# Altium PCB SupBigBrrg_0.PcbDoc (part 24 of 29)
Units mm, origin at the board's own origin, x right, y up, seen from the top; angles counter-clockwise.
Board outline 400 x 344 mm, 6 copper layers (TopLayer, PlaneGnd, PlanePwr, MidLayer3, MidLayer4, BottomLayer); 1288 components, 1323 nets, 5024 pads, 1078 vias.
Unrouted connection lines stored in the file: 1824.
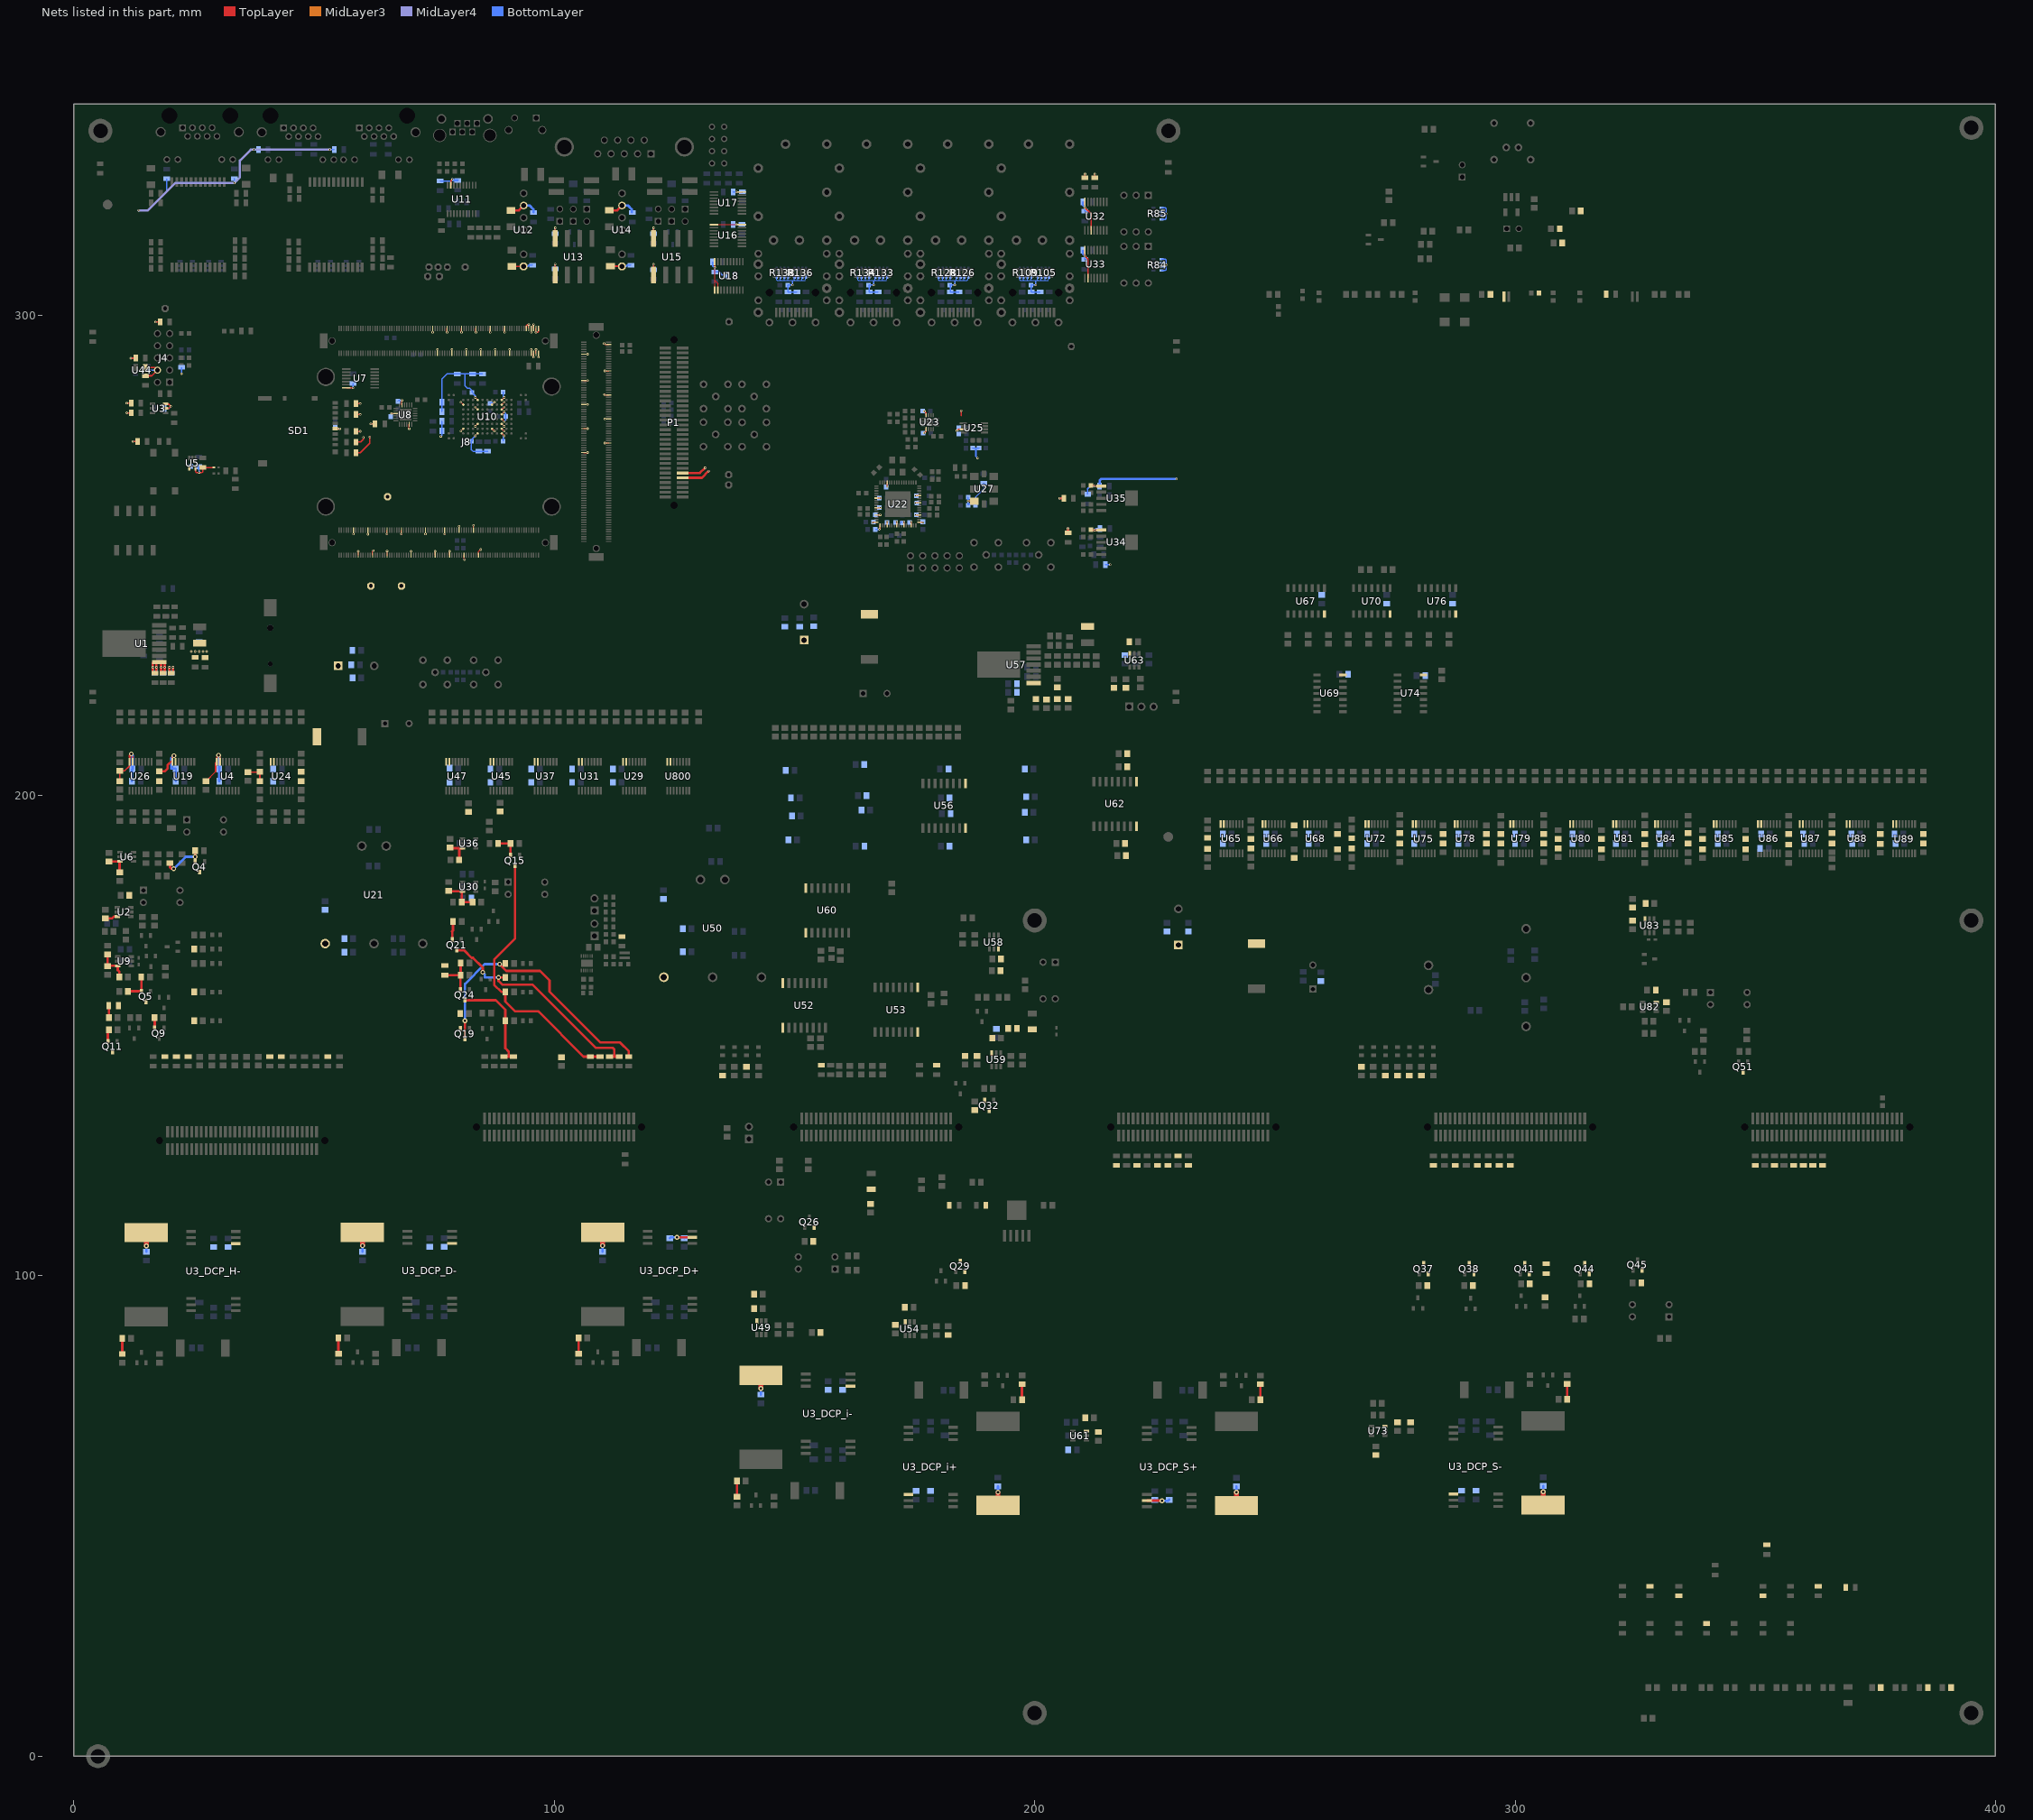
[diagram p28: the nets of this part, all layers, seen from the top]

## Footprints (in the part's own frame and the unit in brackets; to place one, negate y for a bottom-side part, rotate by r counter-clockwise, add the part's x,y. Pads: shape width x height; smd on the part's side, far side on the other; paste and mask are expansions set on the pad) (continued)
SMD_HX508 [mm]
  rect 2x0.64 smd: 1(0,0) 2(0,-0.99) 3(0,-1.98) 4(0,-2.97) 5(0,-3.96) 6(0,-4.95) 7(0,-5.94) 8(0,-6.93) 9(0,-7.92) 10(0,-8.91) 11(0,-9.9) 12(0,-10.89)
  rect 2x0.6 smd: 13(17.7,-10.89) 14(17.7,-9.9) 15(17.7,-8.91) 16(17.7,-7.92) 17(17.7,-6.93) 18(17.7,-5.94) 19(17.7,-4.95) 20(17.7,-3.96) 21(17.7,-2.97) 22(17.7,-1.98) 23(17.7,-0.99) 24(17.7,0)
  silkscreen extent -0.58,-12.17 18.1,1.28, body extent -0.45,-12.03 17.97,1.12, height 6.12
SOD_923 [mm]
  rect 0.5x0.4 smd: 1(-0.48,0) 2(0.48,0)
  body extent -0.48,-0.3 0.52,0.3, height 0.4
SODFL1608X65N [mm] "Ultra Small Outline Diode Flat Lead (SOD-523), Body; 1.2mm L X 0.8mm W X 0.65mm H, IPC Medium Density"
  rect 0.75x0.5 smd: 1(-0.7,0) 2(0.7,0)
  silkscreen extent -1.22,0.63 -0.98,0.88, body extent -0.82,-0.42 0.83,0.43, height 0.65
SOIC127P600X175-14N [mm] "SOIC 14, Pitch 1.27mm - Body 4x8.75mm, IPC Medium Density"
  rect 1.55x0.6 smd: 1(-2.7,3.81) 2(-2.7,2.54) 3(-2.7,1.27) 4(-2.7,0) 5(-2.7,-1.27) 6(-2.7,-2.54) 7(-2.7,-3.81) 8(2.7,-3.81) 9(2.7,-2.54) 10(2.7,-1.27) 11(2.7,0) 12(2.7,1.27) 13(2.7,2.54) 14(2.7,3.81)
  silkscreen extent -2.52,-4.4 1.55,4.79, body extent -3.1,-4.37 3.1,4.38, height 1.75
SOIC127P1030X265-16N [mm] "SOIC 16, Pitch 1.27mm - Body 7.5x10.3mm, IPC Medium Density"
  rect 2x0.6 smd: 1(-4.65,4.445) 2(-4.65,3.175) 3(-4.65,1.905) 4(-4.65,0.635) 5(-4.65,-0.635) 6(-4.65,-1.905) 7(-4.65,-3.175) 8(-4.65,-4.445) 9(4.65,-4.445) 10(4.65,-3.175) 11(4.65,-1.905) 12(4.65,-0.635) 13(4.65,0.635) 14(4.65,1.905) 15(4.65,3.175) 16(4.65,4.445)
  silkscreen extent -5.52,-5.15 3.32,5.37, body extent -5.18,-5.25 5.18,5.25, height 1.68
SOIC127P1033X265-12_28N [mm] "SOIC, Pitch 1.27mm; 12 Pin of 28, 7.50mm W X 17.90mm L X 2.65mm H body, IPC Medium Density"
  rect 2x0.6 smd: 1(-4.65,8.255) 2(-4.65,6.985) 3(-4.65,5.715) 12(-4.65,-5.715) 13(-4.65,-6.985) 14(-4.65,-8.255) 15(4.65,-8.255) 16(4.65,-6.985) 17(4.65,-5.715) 26(4.65,5.715) 27(4.65,6.985) 28(4.65,8.255)
  silkscreen extent -5.53,-8.95 3.32,9.22, body extent -5.18,-9.05 5.18,9.05, height 1.68
SOP8 [mm]
  rect 3.5x1 smd: 1(-3.8,3.825) 2(-3.8,1.275) 3(-3.8,-1.275) 4(-3.8,-3.825) 5(3.8,-3.825) 6(3.8,-1.275) 7(3.8,1.275) 8(3.8,3.825)
  silkscreen extent -2.3,-4.75 2.3,4.67, body extent -3.47,-4.75 3.53,4.65, height 2
SOP65P490X110-8N [mm] "SOP, 0.65mm pitch; 8 pin, 3.00mm W X 3.00mm L X 1.10mm H body, IPC Medium Density"
  rect 1.5x0.45 smd: 1(-2.2,0.975) 2(-2.2,0.325) 3(-2.2,-0.325) 4(-2.2,-0.975) 5(2.2,-0.975) 6(2.2,-0.325) 7(2.2,0.325) 8(2.2,0.975)
  silkscreen extent -2.83,-1.5 1.12,1.82, body extent -2.45,-1.55 2.45,1.55, height 1.1
SOP65P640X110-14N [mm] "SOP, 14-Leads, Body 4.4x5mm (max), Pitch 0.65mm, IPC Medium Density"
  rect 1.78x0.35 smd: 1(-2.92,1.95) 2(-2.92,1.3) 3(-2.92,0.65) 4(-2.92,0) 5(-2.92,-0.65) 6(-2.92,-1.3) 7(-2.92,-1.95) 8(2.92,-1.95) 9(2.92,-1.3) 10(2.92,-0.65) 11(2.92,0) 12(2.92,0.65) 13(2.92,1.3) 14(2.92,1.95)
  silkscreen extent -1.85,-2.5 1.85,2.5, body extent -3.12,-2.55 3.12,2.55, height 1.1
SOP65P640X110-16N [mm] "SOP, 0.65mm pitch; 16 pin, 4.40mm W X 5.00mm L X 1.10mm H body IPC Medium Density"
  rect 1.78x0.35 smd: 1(-2.92,2.275) 2(-2.92,1.625) 3(-2.92,0.975) 4(-2.92,0.325) 5(-2.92,-0.325) 6(-2.92,-0.975) 7(-2.92,-1.625) 8(-2.92,-2.275) 9(2.92,-2.275) 10(2.92,-1.625) 11(2.92,-0.975) 12(2.92,-0.325) 13(2.92,0.325) 14(2.92,0.975) 15(2.92,1.625) 16(2.92,2.275)
  silkscreen extent -1.88,-2.5 1.88,2.5, body extent -3.12,-2.55 3.12,2.55, height 1.1
SOP65P640X110-20N [mm] "SOP, 20-Leads, Body 6.6x4.5mm (max), Pitch 0.65mm, IPC Medium Density"
  rect 1.45x0.35 smd: 1(-2.95,2.925) 2(-2.95,2.275) 3(-2.95,1.625) 4(-2.95,0.975) 5(-2.95,0.325) 6(-2.95,-0.325) 7(-2.95,-0.975) 8(-2.95,-1.625) 9(-2.95,-2.275) 10(-2.95,-2.925) 11(2.95,-2.925) 12(2.95,-2.275) 13(2.95,-1.625) 14(2.95,-0.975) 15(2.95,-0.325) 16(2.95,0.325) 17(2.95,0.975) 18(2.95,1.625) 19(2.95,2.275) 20(2.95,2.925)
  silkscreen extent -3.07,-3.3 1.85,3.82, body extent -3.12,-3.3 3.12,3.3, height 1.19
SOT65P210X110-5N [mm]
  rect 0.95x0.4 smd: 1(-1.1,0.65) 2(-1.1,0) 3(-1.1,-0.65) 4(1.1,-0.65) 5(1.1,0.65)
  silkscreen extent -0.3,-1 0.3,1, body extent -1.2,-1.1 1.2,1.1, height 1.1
SOT95P229X119-3N [mm] "SOT23 3-Leads, 0.95mm pitch; 3 pin, 1.296mm W X 2.858mm L X 1.194mm H body, IPC Medium Density"
  rect 1x0.65 smd: 1(-1.1,0.95) 2(-1.1,-0.95) 3(1.1,0)
  silkscreen extent -1.47,-1.45 0.28,1.92, body extent -1.25,-1.5 1.25,1.5, height 1.19
SOT95P240X110-3N [mm] "SOT23 3-Leads, Pitch 0.95mm - Body 1.3x2.9mm, IPC Medium Density"
  rect 1.15x0.6 smd: 1(-1.3,0.95) 2(-1.3,-0.95) 3(1.3,0)
  silkscreen extent -1.52,-1.45 0.3,1.92, body extent -1.25,-1.5 1.25,1.5, height 1.1
SOT95P270X145-6N [mm] "SOT, 0.95mm Pitch; 6 Pin,1.55mm W X 2.90mm L X 1.45mm H body, IPC Medium Density"
  rect 1.1x0.6 smd: 1(-1.4,0.95) 2(-1.4,0) 3(-1.4,-0.95) 4(1.4,-0.95) 5(1.4,0) 6(1.4,0.95)
  silkscreen extent -1.83,-1.45 0.45,1.87, body extent -1.35,-1.45 1.35,1.45, height 1.45
SOT95P280X100-6N [mm] "SOT23, 0.95mm pitch; 6 pin, 1.625mm W X 2.90mm L X 1.00mm H body, IPC Medium Density"
  rect 1.1x0.55 smd: 1(-1.35,0.95) 2(-1.35,0) 3(-1.35,-0.95) 4(1.35,-0.95) 5(1.35,0) 6(1.35,0.95)
  silkscreen extent -1.77,-1.45 0.48,1.87, body extent -1.4,-1.5 1.4,1.5, height 1
SOT95P280X115-3N [mm] "SOT23, 0.95mm, pitch;3 pin,1.55mm W X 2.95mm L X 1.15mm H body, IPC Medium Density"
  rect 1.15x0.6 smd: 1(-1.3,0.95) 2(-1.3,-0.95) 3(1.3,0)
  silkscreen extent -0.4,-1.5 0.4,1.5, body extent -1.4,-1.5 1.6,1.5, height 1.15
SOT95P285X110-6N [mm]
  rect 1.05x0.55 smd: 1(-1.3,0.95) 2(-1.3,0) 3(-1.3,-0.95) 4(1.3,-0.95) 5(1.3,0) 6(1.3,0.95)
  silkscreen extent -1.77,-1.5 0.45,1.87, body extent -1.4,-1.5 1.48,1.5, height 1.1
SOT223 [mm] "SOT223, 6-Leads, Body 6.6x7.3mm (max), Pitch 1.27mm, IPC Medium Density"
  rect 2.6x3.2 smd: 0(3.3,0)
  rect 2.05x0.65 smd: 1(-3,2.54) 2(-3,1.27) 3(-3,0) 4(-3,-1.27) 5(-3,-2.54)
  silkscreen extent -1.6,-3.3 1.6,3.3, body extent -3.68,-3.27 3.68,3.28, height 1.8
SOT223_6-127 [mil]
  rect 24x93 smd paste+0 mask+0: 1(-100,-118.5) 2(-50,-118.5) 3(0,-118.5) 4(50,-118.5) 5(100,-118.5)
  rect 157.48x157.48 smd: 6(0,90)
  silkscreen extent -134,-103 134,75, body extent -129,-143 129,143, height 71
SW_ECE_ERD116XSZ [mm] "Body 7.4x7.4mm SMT Hexadecimal Rotary Switches"
  rect 1.5x1.5 hole 0.9: 1(0,0)
  round 1.5 hole 0.9: 2(7.62,-5.08) 4(0,-5.08) 8(7.62,0) C1(0,-2.54) C2(7.62,-2.54)
  silkscreen extent -1.19,-7.54 8.81,2.46, body extent -1.13,-7.52 8.88,2.48, height 5.01
TEST_POINT [mm] "test point"
  oct 1.5x1.5 hole 0.8: 1(0,0)
TO-PMOD7 [mm] "TO-263, TO,1.27mm pitch;7 pin,14.10mm L X 8.64mm W X 4.64mm H body, IPC Medium Density"
  rect 9x5.5 smd: 0(1.25,0)
  rect 3x0.9 smd: 1(-6.05,3.81) 2(-6.05,2.54) 3(-6.05,1.27) 4(-6.05,0) 5(-6.05,-1.27) 6(-6.05,-2.54) 7(-6.05,-3.81)
  silkscreen extent -4.2,-5.1 -3.1,5.1, body extent -7.12,-5.08 7.23,5.08, height 4.57
TSSOP-16 [mm]
  rect 1.6x0.4 smd: 1(-3.025,2.275) 2(-3.025,1.625) 3(-3.025,0.975) 4(-3.025,0.325) 5(-3.025,-0.325) 6(-3.025,-0.975) 7(-3.025,-1.625) 8(-3.025,-2.275) 9(3.025,-2.275) 10(3.025,-1.625) 11(3.025,-0.975) 12(3.025,-0.325) 13(3.025,0.325) 14(3.025,0.975) 15(3.025,1.625) 16(3.025,2.275)
  TopLayer circle w0.25: c-2.95,3.1 r0.125
  silkscreen extent -3.07,-2.55 1.85,3.17, body extent -3.12,-2.55 3.12,2.55, height 1.2
TYCO_120521-1 [mm] "1mm Centerline, FH (IEEE 1386) Surface Mount, Stacking Board-to-Board Female Connectors"
  rect 0.6x2.4 smd: 1(1.7,-1.8) 2(1.7,1.8) 3(2.7,-1.8) 4(2.7,1.8) 5(3.7,-1.8) 6(3.7,1.8) 7(4.7,-1.8) 8(4.7,1.8) 9(5.7,-1.8) 10(5.7,1.8) 11(6.7,-1.8) 12(6.7,1.8) 13(7.7,-1.8) 14(7.7,1.8) 15(8.7,-1.8) 16(8.7,1.8) 17(9.7,-1.8) 18(9.7,1.8) 19(10.7,-1.8) 20(10.7,1.8) 21(11.7,-1.8) 22(11.7,1.8) 23(12.7,-1.8) 24(12.7,1.8) 25(13.7,-1.8) 26(13.7,1.8) 27(14.7,-1.8) 28(14.7,1.8) 29(15.7,-1.8) 30(15.7,1.8) 31(16.7,-1.8) 32(16.7,1.8) 33(17.7,-1.8) 34(17.7,1.8) 35(18.7,-1.8) 36(18.7,1.8) 37(19.7,-1.8) 38(19.7,1.8) 39(20.7,-1.8) 40(20.7,1.8) 41(21.7,-1.8) 42(21.7,1.8) 43(22.7,-1.8) 44(22.7,1.8) 45(23.7,-1.8) 46(23.7,1.8) 47(24.7,-1.8) 48(24.7,1.8) 49(25.7,-1.8) 50(25.7,1.8) 51(26.7,-1.8) 52(26.7,1.8) 53(27.7,-1.8) 54(27.7,1.8) 55(28.7,-1.8) 56(28.7,1.8) 57(29.7,-1.8) 58(29.7,1.8) 59(30.7,-1.8) 60(30.7,1.8) 61(31.7,-1.8) 62(31.7,1.8) 63(32.7,-1.8) 64(32.7,1.8)
  round 1 hole 1.5 unplated: 65(0,0) 66(34.4,0)
  silkscreen extent -0.75,-3.72 35.15,3.03, body extent -0.75,-3.02 35.15,3.03, height 5.4
XFMR_MINI-CIRCUITS_AT224 [mm] "MINI-CIRCUITS RF Transformer, Case AT224 - Body 3.81X3.81mm"
  rect 0.76x1.65 smd: 1(-1.27,1.59) 2(0,1.59) 3(1.27,1.59) 4(1.27,-1.59) 6(-1.27,-1.59)
  silkscreen extent -2.3,-0.37 1.91,1.72, body extent -1.9,-1.9 1.91,1.91, height 3.81

## Part data
C1 C2 C7_DCP_D+ C7_DCP_D- C7_DCP_H- C7_DCP_i+ C7_DCP_i- C7_DCP_S+ C7_DCP_S- C8_DCP_D+ C8_DCP_D- C8_DCP_H- C8_DCP_i+ C8_DCP_i- C8_DCP_S+ C8_DCP_S- C9_DCP_D+ C9_DCP_D- C9_DCP_H- C9_DCP_i+ C9_DCP_i- C9_DCP_S+ C9_DCP_S- C10_DCP_D+ C10_DCP_D- C10_DCP_H- C10_DCP_i+ C10_DCP_i- C10_DCP_S+ C10_DCP_S- C12_DCP_D+ C12_DCP_D- C12_DCP_H- C12_DCP_i+ C12_DCP_i- C12_DCP_S+ C12_DCP_S- C13_DCP_D+ C13_DCP_D- C13_DCP_H- C13_DCP_i+ C13_DCP_i- C13_DCP_S+ C13_DCP_S- C61 C62 C63 C64 C65 C67 C69 C73 C74 C84 C94 C95 C96 C97 C98 C99 C100 C102 C108 C109 C112 C117 C120 C122 C125 C127 C129 C136 C142 C143 C145 C148 C149 C151 C153 C154 C157 C159 C160 C161 C189 C191 C192 C193 C194 C195 C196 C201 C202 C203 C204 C205 C206 C207 C208 C209 C210 C213 C215 C216 C226 C227 C230 C233 C234 C237 C238 C239 C240 C241 C242 C243 C244 C245 C246 C247 C248 C249 C250 C251 C252 C254 C255 C257 C261 C264 C265 C266 C267 C268 C269 C270 C271 C272 C273 C274 C275 C276 C277 C280 C281 C287 C288 C289 C290 C291 C292 C294 C295 C296 C297 C300 C303 C306 C307 C308 C309 C316 C317 C319 C320 C321 C322 C323 C324 C325 C326 C327 C330 C331 C332 C333 C338 C339 C340 C342 C343 C344 C345 C346 C347 C354 C355 C356 C357 C359 C713 C714 C800 C801 C850 C851 C852: library part C0805, "Чип конденсатор 0805", DielectricType=X5R, Tolerance=20%, Voltage=25V, Device=Cap0805, Pkg=SMD0805, Price=2, SMD Solders=2, Solder Option=RM, Vendor=Vishay
C3 C7 C8 C9 C10 C11 C12 C13 C14 C15 C16 C17 C18 C30 C31 C32 C33 C34 C35 C36 C37 C38 C39 C40 C41 C42 C43 C44 C45 C46 C47 C48 C49 C50 C51 C54 C55 C56 C57 C58 C59 C60 C77 C78 C80 C85 C86 C89 C90 C92 C101 C103 C104 C105 C106 C107 C110 C111 C113 C114 C115 C116 C118 C119 C121 C123 C124 C126 C128 C130 C131 C132 C133 C134 C135 C137 C138 C139 C140 C141 C144 C150 C152 C155 C156 C158 C162 C163 C164 C166 C167 C168 C169 C171 C172 C173 C174 C176 C177 C178 C179 C180 C181 C182 C183 C184 C185 C186 C187 C188 C190 C197 C198 C199 C200 C214 C217 C218 C219 C220 C221 C222 C223 C224 C225: library part CAPC, "Generic ceramic SMD capacitor", Last Change Data=06.03.2017, Maintainer="Evgeniy Kotov", Release Date=06.03.2017, SMD Solders=2, THD Solders=0
  C3 C9 C12 C15 C32 C78 C80 C162 C163 C164 C166 C167 C168 C169 C171 C172 C173 C174 C181 C184 C186 C187 C190 C199 C221 C222 C225: PartField=0.1uF, Pkg=0805
  C7 C8 C10 C11 C16 C17 C18 C85 C92 C101 C113 C130 C144 C150 C158 C217 C218 C219 C220 C223 C224: PartField=22uF, Pkg=0805
  C13: PartField=120pF, Pkg=0805
  C14: PartField=270pF, Pkg=0805
  C30 C31 C33 C34: PartField=47uF, Pkg=1006
  C35 C36 C37 C38 C39 C40 C41 C42 C43 C44 C45 C46 C47 C48 C49 C50 C51 C54 C56 C57 C58 C59 C60 C86 C89 C90 C103 C104 C105 C106 C107 C110 C111 C114 C115 C116 C118 C119 C121 C123 C124 C126 C128 C131 C132 C133 C134 C135 C137 C138 C139 C140 C141 C152 C155 C156 C176 C177 C178 C179 C180 C182 C183 C185 C188 C197 C198 C200 C214: PartField=100nF, Pkg=0603
  C55 C77: PartField=10nF, Pkg=0603
C4: library part CAPC, "Generic ceramic SMD capacitor / +' x '+Voltage Rating", VoltageRating=2kV, Last Change Data=06.03.2017, Maintainer="Evgeniy Kotov", PartField=1nF, Pkg=1206, Release Date=06.03.2017, SMD Solders=2, THD Solders=0
C5 C6 C19 C20 C21 C24 C25 C26 C27 C29 C70 C71 C72 C75 C175 C212: library part CAPC, "Generic ceramic SMD capacitor", Voltage Rating=10V, Last Change Data=06.03.2017, Maintainer="Evgeniy Kotov", Pkg=0805, Release Date=06.03.2017, SMD Solders=2, THD Solders=0
  C5 C6 C19 C20 C21 C24 C25 C26 C27 C29 C71 C75 C175 C212: PartField=1uF
  C70 C72: PartField=22uF
C11_DCP_D+ C11_DCP_D- C11_DCP_H- C11_DCP_i+ C11_DCP_i- C11_DCP_S+ C11_DCP_S-: library part C1206, "Чип конденсатор 0805", DielectricType=X5R, Tolerance=1%, Voltage=16V, Device=Cap1206, Pkg=SMD1206, Price=2, SMD Solders=2, Solder Option=RM, Vendor=Vishay
C21 C76 C79 C81 C82 C87 C93 C700 C701 C702 C704 C707 C710 C711: library part C0603, "Чип конденсатор 0603", DielectricType=X5R, Tolerance=20%, Voltage=50V, Device=Cap603, Pkg=SMD0603, Price=2, SMD Solders=2, Solder Option=RM, Vendor=Vishay
C22 C23 C28 C165 C170: library part CAPC, "Generic ceramic SMD capacitor", VoltageRating=2kV, Last Change Data=06.03.2017, Maintainer="Evgeniy Kotov", PartField=1nF, Pkg=1206, Release Date=06.03.2017, SMD Solders=2, THD Solders=0
C66 C91 C146: library part CAP_POL_7_5x16, "Конденсатор полярный d16 p7.5мм", Tolerance=20%, Voltage=100V, Device=Cap+, Pkg=7.5x16mm, Price=30, SMD Solders=0, Solder Option=RM, THD Solders=2, Vendor=Vishay
C68 C88 C147: library part CAP_POL_5x10, "Конденсатор полярный d10 p5мм", Tolerance=20%, Voltage=100V, Device=Cap+, Pkg=5x10mm, Price=20, SMD Solders=0, Solder Option=RM, THD Solders=2, Vendor=Vishay
C83 C706 C712: library part CAP_LLL219R71A105, "1uF; 10V; 0805R; X7R; Low ESL; Reverse geometry", ClassName=Soldered_BINP, PartField=LLL219R71A105, Pkg=0508, SMD Solders=2, SolderOption=2, THD Solders=0, Vendor=muRata
C703 C705 C708 C709: library part C0805, "Чип конденсатор 0805", DielectricType=X5R, Tolerance=20%, Voltage=50V, Device=Cap0805, Pkg=SMD0805, Price=2, SMD Solders=2, Solder Option=RM, Vendor=Vishay
D1 D2: "Schottky Barrier Diode", Forward Current=100mA, Forward Voltage="0.38V @ 1mA / 1V @ 40mA", Reverse Current=15mA, Reverse Voltage=40V, Temperature Range="-55°C to +150°C", Last Change Data=28.03.2017, Maintainer="Evgeniy Kotov", PartField=BAS40SL, Pkg=SOD-923F, Release Date=28.03.2017, SMD Solders=2, THD Solders=0, Vendor=Vishay
D3: library part LED_SMD0603, "SMD Led, 0603", Color=Blue, Forward Current=5mA, Temperature Range="-55°C to +150°C", Last Change Data=28.03.2017, Maintainer="Evgeniy Kotov", PartField="LB Q39E-N1OO-35-1", Pkg=0603, Release Date=28.03.2017, SMD Solders=2, THD Solders=0, Vendor=Vishay
D4: library part LEDx4_H485CGDL, "LED Circuit Board Indicator 4 High Green (x 4) Diffused 2.1V Round with Domed Top, 1.80mm Through Hole", Color=Green, Forward Current=5mA, Temperature Range="-55°C to +150°C", Last Change Data=28.03.2017, Maintainer="Evgeniy Kotov", PartField=H485CGDL, Pkg="8 pin THD Led", Release Date=28.03.2017, SMD Solders=0, THD Solders=8, Vendor="Bivar Inc."
D5 D21 D800 D850: library part BZV55C, "Чип cтабилитрон", Current=5, Voltage=3V, Device=BZV55C, Name to order=BZV55C3V0, Pkg=SOD80, Price=5, SMD Solders=2, Solder Option=RM, Vendor=LGE
D6 D7 D8 D9 D10 D12 D14 D15 D16 D17 D18 D19 D20 D23 D24 D25 D26 D27 D28 D29: library part LED0603, "Чип светодиод 0603", Device=LED0603, Pkg=SMD0603, Price=10, SMD Solders=2, Solder Option=RM, Vendor=KB
D11 D13 D22 D30: "Чип Шоттки диод", Voltage=30V, Device=RB521S-30, Name to order=RB521S-30, Pkg=SOD523, Price=5, SMD Solders=2, Solder Option=RM, Vendor=CTK
D700 D701: "High Conductance Low Leakage Diode", HelpURL=https://www.engineering.uiowa.edu/sites/default/files/ees/files/NI/pdfs/01/30/DS013013.pdf, PartField=MMBD1503, Pkg=SOT-3N, SMD Solders=3, SolderOption=0, THD Solders=0
J1 J22 J43 J44 J46 J47: library part PCI_PMC_M, "PCI Mezzanine Connector; IEEE 1386 MainBoard", Manufactuer="TE Connectivity", PartField=120527-1, Pkg="PMC Male (IEEE 1386)", SolderOption=2, Vendor="TE Connectivity"
J2: library part DIPSW4, "SMD DIP Switch, Omron A6H or A6SN series", Manufacturer=Omron, PartField=A6SN-4104, Pkg="SMD 8pin", SMD Solders=8, THD Solders=0
J3: "Tactile Switch SPST-NO Top Actuated Surface Mount", ComponentLink1Description=Datasheet, Last Change Data=02.04.2017, Maintainer="Evgeniy Kotov", PartField=PTS645SL43SMTR92, Pkg="Button 4 pin", Release Date=02.04.2017, SMD Solders=4, THD Solders=0
J4 J29: library part IDC-10MS, "Connector, 5x2, Male, 2.54mm Pitch, Strait contacts, with Body", ComponentLink1Description=Datasheet, Last Change Data=28.03.2017, Maintainer="Evgeniy Kotov", PartField=IDC-10MC, Pkg=IDC-10, Release Date=28.03.2017, SMD Solders=0, THD Solders=10
J5: library part RJ45-RJHSE-5381, "High Speed RJ45, Modular Jack, 8 Position, 8 Contacts, Shielded, with LEDs, -55 to 85 degC,12-Pin THD, RoHS, Tray", LED Color=Yellow-Green, Manufacturer=Amphenol, Operating Temperature=-55°C~85°C, Package Description="12-Pin Through Hole Device, Body 16.51 x 15.75 mm", Ratings=-, Standard Package=120, 3D Model=RJHSE538x.stpRJHSE538x.igs, Catalog Drawings=RJ45SeriesRightAngle, Category=Connectors,Interconnects, Connector Type=Jack, Contact Finish=Gold, Contact Finish Thickness=50µin(1.27µm), Contact Material=PhosphorBronze, Datasheet URL=https://datasheet.ciiva.com/16481/rjhse538x-16481714.pdf, Datasheet Version="Rev. K, 04/2014", Family=ModularConnectors-Jacks, Featured Product=ModularJacksProductSolutions, Features=BoardLock, Housing Material=Thermoplastic, Ingress Protection=-, Manufacturer URL=http://www.amphenol.com/, Mounting Technology=ThroughHole, Mounting Type=ThroughHole, Number of Ports=1, Number of Positions/Contacts=8p8c(RJ45,Ethernet), Number of Rows=1, Online Catalog=RJHSESeries, Orientation=90°Angle(Right), Other Names=RJHSE5381, Package Reference=RJHSE-5381, Packaging=Tray, PartField=RJHSE-5381, PCN Design/Specification=MultipleSeriesCopper29/Jan/2009RJHSEShieldMaterial30/Jun/2015, Pkg="LAN conn", Series=RJHSE, Shielding=Shielded,EMIFinger, SMD Solders=0, Tab Direction=Up, Termination=Solder, THD Solders=14
J6: library part BAT_CR1220, "BATTERY HOLDER COIN 12.5MM SMD", ComponentLink1Description=Datasheet, Last Change Data=02.04.2017, Maintainer="Evgeniy Kotov", PartField=BC501SM, Pkg="12MM SMD", Release Date=02.04.2017, SMD Solders=2, THD Solders=0
J7: library part RJ45-RJHSE-5381-2, "Dual Port, High Speed RJ45, Modular Jack, 8 Position, 8 Contacts, Shielded, with LEDs, -55 to 85 degC,12-Pin THD, RoHS, Tray", LED Color=Yellow-Green, Manufacturer=Amphenol, Operating Temperature=-55°C~85°C, Package Description="12-Pin Through Hole Device, Body 16.51 x 15.75 mm", Package Reference=RJHSE-5381, Ratings=-, Standard Package=120, 3D Model=RJHSE538x.stpRJHSE538x.igs, Catalog Drawings=RJ45SeriesRightAngle, Category=Connectors,Interconnects, Connector Type=Jack, Contact Finish=Gold, Contact Finish Thickness=50µin(1.27µm), Contact Material=PhosphorBronze, Datasheet URL=https://datasheet.ciiva.com/16481/rjhse538x-16481714.pdf, Datasheet Version="Rev. K, 04/2014", Family=ModularConnectors-Jacks, Featured Product=ModularJacksProductSolutions, Features=BoardLock, Housing Material=Thermoplastic, Ingress Protection=-, Manufacturer URL=http://www.amphenol.com/, Mounting Technology=ThroughHole, Mounting Type=ThroughHole, Number of Ports=1, Number of Positions/Contacts=8p8c(RJ45,Ethernet), Number of Rows=1, Online Catalog=RJHSESeries, Orientation=90°Angle(Right), Other Names=RJHSE5381, Packaging=Tray, PartField=RJHSE-5381-2, PCN Design/Specification=MultipleSeriesCopper29/Jan/2009RJHSEShieldMaterial30/Jun/2015, Pkg="LAN x2", Series=RJHSE, Shielding=Shielded,EMIFinger, SMD Solders=0, Tab Direction=Up, Termination=Solder, THD Solders=28
J8: library part FX10A-168P-SV_ME-SA2+, HelpURL=https://www.hirose.com/product/document?clcode=CL0570-0044-8-71&productname=FX10A-168P-SV(71)&series=FX10&documenttype=Catalog&lang=ru&documentid=D31650_en, PartField=FX10A-168P-SV1(71), PIN_COUNT=168, Pkg="SMD 170pin", SMD Solders=170, SolderOption=0, THD Solders=0
J9: library part RJ-14, PartField=1734723-1@TYCO, Pkg=RJ14-6p, SMD Solders=0, THD Solders=10
J10 J12 J20 J21 J23 J24 J32 J36: library part LEMO_EPA.00.250, PartField=EPA.00.250.NTN, Pkg="LEMO 5pin", SMD Solders=0, SolderOption=0, THD Solders=5
J11: "Tactile Switch SPST-NO Side Actuated Through Hole, Right Angle", ComponentLink1Description=Datasheet, Last Change Data=02.04.2017, Maintainer="Evgeniy Kotov", PartField=PTS645VL582LFS, Pkg="Button 4 pin", Release Date=02.04.2017, SMD Solders=0, THD Solders=4
J13: "D-SUB; 9-pin, male, flange 7.2mm", PartField=DRB-9MA, Pkg=DRB-9MA, SMD Solders=0, SolderOption=0, THD Solders=11
J14 J15 J16 J17 J18 J19 J700 J702: "Connector, 5x2, Male, 2.54mm Pitch, Right Angle", ComponentLink1Description=Datasheet, Last Change Data=02.04.2017, Maintainer="Evgeniy Kotov", PartField=PLS-2, Pkg=PLS-2, Release Date=02.04.2017, SMD Solders=0, THD Solders=2
J25 J27 J30 J33: library part MOLX-74754-0101, "SFP+ Cage, Single Port, Height 10.85 mm, Tail Height 3.05 mm, -40 to 85 degC, RoHS, Tray", Package Quantity=1152, ComponentLink1Description="Manufacturer URL", ComponentLink1URL=http://www.molex.com/, ComponentLink2Description=Datasheet, ComponentLink2URL=http://www.molex.com/webdocs/datasheets/pdf/en-us/0747540101_IO_CONNECTORS.pdf, ComponentLink3Description="Package Specification", ComponentLink3URL=http://www.molex.com/pdm_docs/sd/747540101_sd.pdf, DatasheetVersion="Rev. Jul-15", Height="10.85 mm", Length="15.9 mm", Mounting Technology="Through Hole", PackageDescription="SFP+ Cage, Single Port, Height 10.85 mm, Tail Height 3.05 mm", PackageVersion="Rev. J, 02/2015", Packaging=Tray, PartField=74754-0101, PartNumber=74754-0101, Pkg="SFP cage", Radiation Hardening=No, RoHSCompliant=True, SMD Solders=0, THD Solders=20, Width="49 mm"
J26 J28 J31 J34: library part MOLEX-74441-0001, "CONN SFP+ RCPT 20POS SLD R/A SMD", Package Quantity=1152, ComponentLink1Description="Manufacturer URL", ComponentLink1URL=http://www.molex.com/, ComponentLink2Description=Datasheet, ComponentLink2URL=http://www.molex.com/webdocs/datasheets/pdf/en-us/0747540101_IO_CONNECTORS.pdf, ComponentLink3Description="Package Specification", ComponentLink3URL=http://www.molex.com/pdm_docs/sd/747540101_sd.pdf, DatasheetVersion="Rev. Jul-15", Height="10.85 mm", Length="15.9 mm", Mounting Technology="Through Hole", PackageDescription="CONN SFP+ RCPT 20POS SLD R/A SMD", PackageVersion="Rev. J, 02/2015", Packaging=Tray, PartField=74441-0001, PartNumber=74441-0001, Pkg="SMD SFP conn", Radiation Hardening=No, RoHSCompliant=True, SMD Solders=20, THD Solders=0, Width="49 mm"
J45: library part PLS3, "PLS3", Device=PLS3, Price=1, SMD Solders=0, Solder Option=RM, THD Solders=3, Vendor=Confly
J701: "LEMO дифференциальный, угдовой", Device=LEMO_EPG.0B.302.HLN, Name to order=LEMO_EPG.0B.302.HLN, Pkg=LEMO_EPG.0B.302.HLN, Price=5000, SMD Solders=0, Solder Option=RM, THD Solders=6, Vendor=LEMO
L2 L5 L6 L7: library part BLM21RK102SN1D, "Ferrite Beads, 0805, 1 kOhm", DC Current=200mA, DC Resistance=500m?, Temperature Range="-55°C to +125°C", Tolerance=25%, Last Change Data=30.03.2017, Maintainer="Evgeniy Kotov", PartField=BLM21RK102SN1D, Pkg=0805, Release Date=30.03.2017, SMD Solders=2, THD Solders=0, Vendor=Murata
L3 L9: library part LAN_1G_TR_H5008NL, "LAN Transformer fog 1GbE, 12 coils, 4 pairs.", Temperature Range="-25°C to +85°C", Tolerance=2%, Last Change Data=31.03.2017, Maintainer="Evgeniy Kotov", PartField=H5008NL, Pkg=H5008NL, Release Date=31.03.2017, SMD Solders=2, THD Solders=0, Vendor="Pulse Electronics"
L4 L12 L14 L53: "Inductor, Fixed, 1210, 4.7uH, 216mOhm, 1A, 30%", DC Current=750mA, DC Resistance=380m?, Temperature Range="-40°C to +105°C", Tolerance=20%, Last Change Data=30.03.2017, Maintainer="Evgeniy Kotov", PartField=LQH32PN4R7NN0L, Pkg=1210, Release Date=30.03.2017, SMD Solders=2, THD Solders=0, Vendor=Murata
L7 L8 L10 L11: "Ferrite Beads, 0805, 1 kOhm", DC Current=200mA, DC Resistance=500m?, Temperature Range="-55°C to +125°C", Tolerance=25%, Last Change Data=30.03.2017, Maintainer="Evgeniy Kotov", PartField=BLM21RK102SN1D, Pkg=0805, Release Date=30.03.2017, SMD Solders=2, THD Solders=0, Vendor=Murata
L16 L17 L18 L19 L20 L21 L22 L23: "Ferrite Beads, 0805, 220 Ohm, 2A", DC Current=200mA, DC Resistance=50m?, Temperature Range="-55°C to +125°C", Tolerance=25%, Last Change Data=30.03.2017, Maintainer="Evgeniy Kotov", PartField=BLM21PG221SN1, Pkg=0805, Release Date=30.03.2017, SMD Solders=2, THD Solders=0, Vendor=Murata
L17_DCP_D+ L17_DCP_D- L17_DCP_H- L17_DCP_i+ L17_DCP_i- L17_DCP_S+ L17_DCP_S-: library part IND_BOURNS_PM5022S, "SMD Дроссель", Current=1A6, Tolerance=20%, Voltage=2, Device=PM5022S, Name to order=PM5022s-680M-RM, Pkg=SMD13x13mm, Price=400, SMD Solders=2, Solder Option=RM, THD Solders=0, Vendor=Panasonic
L18_DCP_D+ L18_DCP_D- L18_DCP_H- L18_DCP_i+ L18_DCP_i- L18_DCP_S+ L18_DCP_S- L34 L44 L64: library part B82464G4, "SMD Дроссель", Current=3A5, Tolerance=20%, Voltage=2, Device=B82464G4, Name to order=B82464G4103M, Pkg=SMD10.4x10.4mm, Price=400, SMD Solders=2, Solder Option=RM, THD Solders=0, Vendor=Epcos
L25 L26 L27 L28 L29 L30 L32 L35 L37 L38 L39 L40 L42 L43 L46 L47 L48 L50 L54 L55 L56 L57 L59 L60 L61 L62 L65 L66 L67 L69 L70 L71 L72 L73 L75 L76 L77 L78 L79 L80 L81 L82 L83 L84 L85 L86 L87 L88 L89 L90 L91 L92 L93 L94 L95 L96 L97 L98 L99 L100 L101 L102 L103 L104 L105 L106 L107 L108 L109 L700 L850 L851: library part BLM21, "SMD Ferrite bead 0805", Device=BLM21, Pkg=SMD0805, Price=10, SMD Solders=2, Solder Option=RM, Vendor=Vishay
P1: library part PCI_PMC_TYCO_120521-1, "PCI Mezzanine Connector; IEEE 1386", Manufacturer="TE Connectivity", PartField=TYCO_120521-1, Pkg="SMD 64 pin", SMD Solders=64, THD Solders=0
Q1 Q4 Q7 Q8 Q10 Q10_DCP_D+ Q10_DCP_D- Q10_DCP_H- Q10_DCP_i+ Q10_DCP_i- Q10_DCP_S+ Q10_DCP_S- Q13 Q15 Q16 Q17 Q20 Q22 Q26 Q28 Q30 Q31 Q36 Q39 Q40 Q43 Q45 Q47 Q48 Q51: "NMOS", Voltage=30V, Device=AO3400A, Name to order=AO3400A, Pkg=SOT23, Price=10, SMD Solders=3, Solder Option=RM, Vendor=UMW
Q3 Q6 Q14 Q23 Q25 Q34 Q46 Q50: "Optotransistor", Current=0, Voltage=35V, Device=817B, Name to order=817B, Pkg=DIP4, Price=10, SMD Solders=0, Solder Option=RM, THD Solders=4, Vendor=UMW
Q5 Q9 Q11 Q19 Q21 Q24 Q29 Q32 Q37 Q38 Q41 Q44 Q49: "PMOS", Voltage=-30V, Device=AO3401A, Name to order=AO3401A, Pkg=SOT23, Price=10, SMD Solders=3, Solder Option=RM, THD Solders=0, Vendor=UMW
R1 R2 R3 R7 R8 R9 R10 R11 R12 R13 R14 R15 R16 R17 R18 R19 R20 R21 R22 R23 R24 R25 R26 R27 R28 R29 R30 R31 R32 R33 R34 R35 R36 R37 R38 R39 R40 R41 R42 R43 R44 R45 R46 R53 R54 R55 R56 R57 R58 R59 R60 R61 R62 R63 R65 R66 R73 R74 R75 R77 R79 R80 R81 R90 R91 R93 R94 R95 R96 R108 R112 R115 R116 R118 R119 R120 R122 R124 R127 R130 R132 R139 R140 R141 R142 R143 R144 R145 R146 R147 R148 R149 R150 R151 R152 R153 R154 R155 R156 R157 R158 R159 R160 R161 R162 R163 R164 R165 R166 R167 R169 R170 R171 R172 R174 R175 R176 R177 R178 R179 R180 R183 R184 R185 R186 R189 R190 R191 R192 R193 R194: library part RESC, "Resistor, Generic, SMD", Last Change Data=09.03.2017, Maintainer="Evgeniy Kotov", Release Date=06.03.2017, SMD Solders=2, THD Solders=0
  R1 R2 R80 R81: PartField=10M?, Pkg=0805
  R3 R73 R74 R79 R189: PartField=0?, Pkg=0805
  R7 R9 R15 R28 R29 R30 R31 R32 R35 R163 R164 R165 R166 R167 R169 R170 R171 R172 R175 R191: PartField=10k?, Pkg=0805
  R8 R10 R21 R39 R174: PartField=51k?, Pkg=0805
  R11 R14 R17 R25 R43 R44 R45 R46 R141 R143 R145 R146 R192: PartField=1k?, Pkg=0805
  R12 R13 R23 R24 R26 R27 R33 R34 R178 R179 R183 R184: PartField=75?, Pkg=0805
  R16: PartField=75k?, Pkg=0805
  R18 R36 R37 R38 R40 R41 R42 R53 R63 R65 R66 R132 R148 R153 R156 R157 R176: PartField=22?, Pkg=0603
  R19 R20 R54 R59 R108 R112 R115 R116 R130 R149 R150 R151 R152 R159 R160 R161 R162 R177 R190: PartField=100?, Pkg=0603
  R22: PartField=43k?, Pkg=0805
  R55 R56 R57 R58: PartField=91?, Pkg=0603
  R60: PartField=68?, Pkg=0603
  R61: PartField=820?, Pkg=0603
  R62: PartField=51?, Pkg=0805
  R75 R77 R93 R94 R96 R119 R120 R139 R140 R142 R144: PartField=5.1k?, Pkg=0805
  R90 R95 R180 R185 R186 R193: PartField=150?, Pkg=0805
  R91: PartField=12k?, Pkg=0805
  R118 R122 R124 R127: PartField=*?, Pkg=0603
  R147 R154 R155 R158: PartField=62?, Pkg=0805
  R194: PartField=24k?, Pkg=0805
R4 R6 R19_DCP_D+ R19_DCP_D- R19_DCP_H- R19_DCP_i+ R19_DCP_i- R19_DCP_S+ R19_DCP_S- R25_DCP_D+ R25_DCP_D- R25_DCP_H- R25_DCP_i+ R25_DCP_i- R25_DCP_S+ R25_DCP_S- R27_DCP_D+ R27_DCP_D- R27_DCP_H- R27_DCP_i+ R27_DCP_i- R27_DCP_S+ R27_DCP_S- R47 R48 R49 R50 R51 R52 R67 R76 R78 R80 R82 R83 R86 R87 R89 R92 R97 R98 R99 R100 R101 R102 R103 R104 R106 R107 R110 R111 R113 R114 R117 R121 R123 R125 R129 R131 R135 R137 R168 R173 R181 R182 R187 R188 R195 R196 R197 R198 R201 R202 R203 R204 R205 R206 R207 R208 R209 R210 R212 R213 R214 R215 R216 R217 R218 R219 R220 R221 R222 R223 R224 R225 R226 R227 R228 R229 R230 R231 R232 R233 R234 R235 R237 R239 R240 R241 R242 R244 R245 R247 R248 R249 R250 R251 R252 R253 R254 R255 R256 R257 R259 R260 R261 R263 R264 R265 R267 R268 R271 R272 R274 R276 R277 R278 R279 R280 R281 R282 R284 R285 R286 R287 R288 R290 R291 R293 R294 R295 R296 R297 R298 R299 R300 R301 R302 R303 R304 R305 R306 R307 R308 R309 R310 R311 R312 R313 R314 R315 R316 R317 R318 R319 R320 R321 R322 R323 R324 R326 R327 R328 R329 R330 R331 R334 R335 R336 R337 R338 R339 R340 R341 R342 R343 R344 R345 R347 R348 R349 R350 R351 R352 R354 R355 R356 R357 R358 R359 R361 R363 R364 R365 R366 R367 R368 R369 R370 R371 R372 R373 R374 R375 R376 R377 R378 R379 R380 R381 R382 R383 R384 R385 R386 R387 R388 R389 R390 R391 R392 R393 R394 R395 R396 R397 R398 R399 R400 R401 R402 R403 R404 R405 R406 R407 R408 R409 R410 R411 R412 R413 R414 R415 R416 R417 R418 R419 R420 R421 R422 R423 R424 R425 R426 R427 R428 R430 R431 R432 R433 R434 R435 R436 R437 R439 R441 R442 R443 R444 R445 R446 R447 R448 R449 R450 R451 R452 R453 R454 R455 R456 R457 R458 R459 R460 R461 R462 R463 R464 R465 R466 R467 R468 R469 R470 R471 R472 R473 R474 R475 R476 R477 R478 R479 R480 R481 R482 R483 R484 R485 R486 R487 R488 R489 R490 R491 R492 R493 R494 R495 R496 R497 R498 R499 R500 R501 R502 R503 R504 R505 R506 R507 R508 R509 R510 R511 R512 R513 R514 R515 R516 R517 R518 R519 R520 R521 R522 R523 R524 R525 R526 R527 R528 R529 R530 R531 R532 R533 R534 R700 R701 R702 R703 R704 R705 R706 R707 R708 R709 R711 R712 R800 R801 R802 R803 R804 R805 R806 R807 R808 R809 R810 R850 R851: library part R0805, "Чип резистор 0805", Tolerance=1%, Device=Res0805, Pkg=SMD0805, Price=2, Pwr=125mW, SMD Solders=2, TC=100ppm/C, Vendor=Vishay
  R4 R6 R19_DCP_D+ R19_DCP_D- R19_DCP_H- R19_DCP_i+ R19_DCP_i- R19_DCP_S+ R19_DCP_S- R25_DCP_D+ R25_DCP_D- R25_DCP_H- R25_DCP_i+ R25_DCP_i- R25_DCP_S+ R25_DCP_S- R27_DCP_D+ R27_DCP_D- R27_DCP_H- R27_DCP_i+ R27_DCP_i- R27_DCP_S+ R27_DCP_S- R47 R49 R50 R51 R67 R76 R78 R82 R86 R87 R89 R92 R99 R100 R101 R104 R106 R107 R111 R113 R114 R121 R123 R131 R195 R196 R202 R203 R205 R206 R210 R213 R214 R215 R216 R217 R219 R221 R222 R225 R227 R229 R231 R232 R240 R241 R250 R251 R257 R260 R263 R264 R265 R267 R268 R271 R272 R274 R276 R277 R278 R279 R280 R281 R282 R284 R285 R286 R287 R288 R290 R291 R293 R294 R295 R296 R297 R298 R299 R300 R301 R302 R303 R304 R305 R306 R307 R308 R309 R310 R311 R312 R313 R314 R315 R316 R317 R318 R319 R320 R321 R322 R323 R324 R326 R327 R328 R329 R330 R331 R334 R335 R336 R337 R338 R339 R340 R342 R343 R345 R365 R370 R372 R377 R383 R385 R386 R387 R388 R390 R391 R392 R394 R400 R401 R402 R404 R405 R407 R408 R410 R413 R415 R416 R427 R442 R449 R451 R452 R458 R459 R461 R462 R464 R466 R471 R473 R476 R480 R484 R512 R513 R514 R516 R517 R518 R520 R523 R524 R525 R526 R527 R528 R529 R530 R531 R532 R533 R534 R700 R702 R703 R706 R708 R809 R810 R850 R851: Solder Option=RM
  R48 R52 R80 R83 R97 R98 R102 R103 R110 R117 R125 R129 R135 R137 R168 R173 R181 R182 R187 R188 R197 R198 R201 R204 R207 R208 R209 R212 R218 R220 R223 R224 R226 R228 R230 R233 R234 R235 R237 R239 R242 R244 R245 R247 R248 R249 R252 R253 R254 R255 R256 R259 R261 R341 R347 R348 R349 R350 R351 R352 R354 R355 R356 R357 R358 R359 R361 R363 R364 R366 R367 R368 R369 R371 R373 R374 R375 R376 R378 R379 R380 R381 R382 R384 R389 R393 R395 R396 R397 R398 R399 R403 R406 R409 R411 R412 R414 R417 R418 R419 R420 R421 R422 R423 R424 R425 R426 R428 R430 R431 R432 R433 R434 R435 R436 R437 R439 R441 R443 R444 R445 R446 R447 R448 R450 R453 R454 R455 R456 R457 R460 R463 R465 R467 R468 R469 R470 R472 R474 R475 R477 R478 R479 R481 R482 R483 R485 R486 R487 R488 R489 R490 R491 R492 R493 R494 R495 R496 R497 R498 R499 R500 R501 R502 R503 R504 R505 R506 R507 R508 R509 R510 R511 R515 R519 R521 R522 R701 R704 R705 R707 R709 R711 R712: Solder Option=i
  R344: Solder Option=Dbg
  R800 R801 R802 R803 R804 R805 R806 R807 R808: Solder Option=DNP
R84 R85 R105 R109 R126 R128 R133 R134 R136 R138: library part RESPACK4, Last Change Data=16.05.2019, Maintainer="Anton Pavlenko", Pkg="SMD 8pin", Release Date=16.05.2019, SMD Solders=8, THD Solders=0
  R84 R85: PartField=CAY16-4702F4LF
  R105 R109 R126 R128 R133 R134 R136 R138: PartField=CAY16-1002F4LF
R258 R262 R266 R269 R270 R273 R275: library part R0603, "Чип резистор 0603", Tolerance=1%, Device=Res603, Pkg=SMD0603, Price=2, Pwr=60mW, SMD Solders=2, Solder Option=RM, TC=100ppm/C, Vendor=Vishay
R710: library part R0805, "Чип резистор 0805", Tolerance=0.1%, Device=Res0805, Pkg=SMD0805, Price=2, Pwr=125mW, SMD Solders=2, Solder Option=RM, TC=100ppm/C, Vendor=Vishay
SD1: "Micro SD Card Connector, 0.5 A, 125 V, -25 to 85 degC, 8-Pin SMD, RoHS, Tape and Reel", Manufacturer="Hirose Electric", Package Description="8-Pin Surface Mount Device, Body 16.15 x 13.85 mm, Pitch 1.1 mm", Package Reference=DM3AT-8, Standard Package=1, Card Type=SecureDigital-microSD™, Category=Connectors,Interconnects, Connector Type=ConnectorandEjector, Contact Finish=Gold, Contact Finish Thickness=-, Datasheet URL=https://ciiva.com/datasheet-click-46418261?src=ciiva&sig=4019062a, Datasheet Version=Jun-10, Ejector Side=-, Family=MemoryConnectors-PCCardSockets, Featured Product=DM3ATSeries, Features=Switch, HTML Datasheet=DM3SeriesmicroSD.html, Insertion, Removal Method=PushIn,PushOut, Manufacturer URL=https://www.hirose.com, Mounting Feature=Normal,Standard-Top, Mounting Type=SurfaceMount,RightAngle, Number of Positions=10(8+2), Online Catalog=DM3Series, Other Names=HR1964DKR, Package URL=https://www.hirose.com/product/en/download_file/key_name/DM3/category/Catalog/doc_file_id/49662/?file_category_id=4&item_id=195&is_series=1, Packaging=Digi-Reel, PartField=DM3AT-SF-PEJM5, Pkg="SD card hlder", Product Training Modules=DM3SeriesmicroSDCardSockets, Series=DM3, SMD Solders=14, THD Solders=0, Vendor="Hirose Electric"
T700: "RF Transformer; 50?; 1.5 to 500 MHz; Impedance Ratio=1", Device=TC1-1T+, Name to order=TC1-1T+, Pkg=AT1521, Price=1000, SMD Solders=5, Solder Option=RM, THD Solders=0, Vendor="Texas Instruments"
TP1 TP2 TP3 TP4 TP5 TP6 TP7 TP8 TP9 TP10 TP11 TP12 TP13 TP14: library part TestPoint, "testPoint", PartField="test point", Pkg=DNP, SMD Solders=0, SolderOption=0, THD Solders=0, Vendor=BINP
U1 U57: library part LMZ10504EXT_NDW, "4A, SIMPLE SWITCHER® Power Module with 5.5V Maximum Input Voltage for Military and Rugged Applications", Manufacturer="Texas Instruments", Manufacturer_Part_Number=lmz10504ext_ndw_7, NSC_PackageReference=TZA07A, basePN=LMZ10504EXT, HelpURL=http://www.ti.com/lit/ds/symlink/lmz10504ext.pdf, PartField=LMZ10504EXT, Pkg=PMOD-7EP, SMD Solders=8, THD Solders=0, Vendor="Texas Instruments"
U2 U6 U9 U30 U36 U49 U54 U58 U59 U61 U63 U73 U82 U83: library part TPS3808, "Supervisory Circuit. Low-Quiescent-Current, Programmable-Delay", Current=6uA, thVoltage=400mV, Device=TPS3808, Name to order=TPS3808G01DBV, Pkg=SOT23-6, Price=200, SMD Solders=6, Solder Option=RM, THD Solders=0, Vendor="Texas Instruments"
U3: "Low-Quiescent-Current Programmable-Delay Supervisory Circuit", ComponentLink1Description=Datasheet, ComponentLink1URL=http://www.ti.com/lit/ds/symlink/dac7565.pdf, Last Change Date=19.03.2017, Maintainer="Evgeniy Kotov", PartField=TPS3808G33QDBVRQ1, Pkg=SOT23-6, Release Date=19.03.2017, SMD Solders=6, THD Solders=0, Vendor="Texas Instruments"
U3_DCP_D+ U3_DCP_D- U3_DCP_H- U3_DCP_i+ U3_DCP_i- U3_DCP_S+ U3_DCP_S-: library part DCP02xxyyU, "DC/DC xxV to isolated  yyV", Voltage=7V, Copyright="Copyright (C) 2022 Ultra Librarian. All rights reserved.", Device=DCP02, Pkg=SOIC28, Price=1000, SMD Solders=6, Solder Option=RM, Vendor="Texas Instruments"
U4 U19 U24 U26 U29 U31 U37 U45 U47 U65 U66 U68 U72 U75 U78 U79 U80 U81 U84 U85 U86 U87 U88 U89 U800: "Двунаправленный буфер", Voltage="1V1.. 3.6V  I/Os are 4.6-V Tolerant", Device=SN74AVC4T774, Name to order=SN74AVC4T774PW, Pkg=TSSOP16, Price=300, SMD Solders=16, Solder Option=RM, THD Solders=0, Vendor="Texas Instruments"